# KiCad board lb_mp1.kicad_pcb (continued)
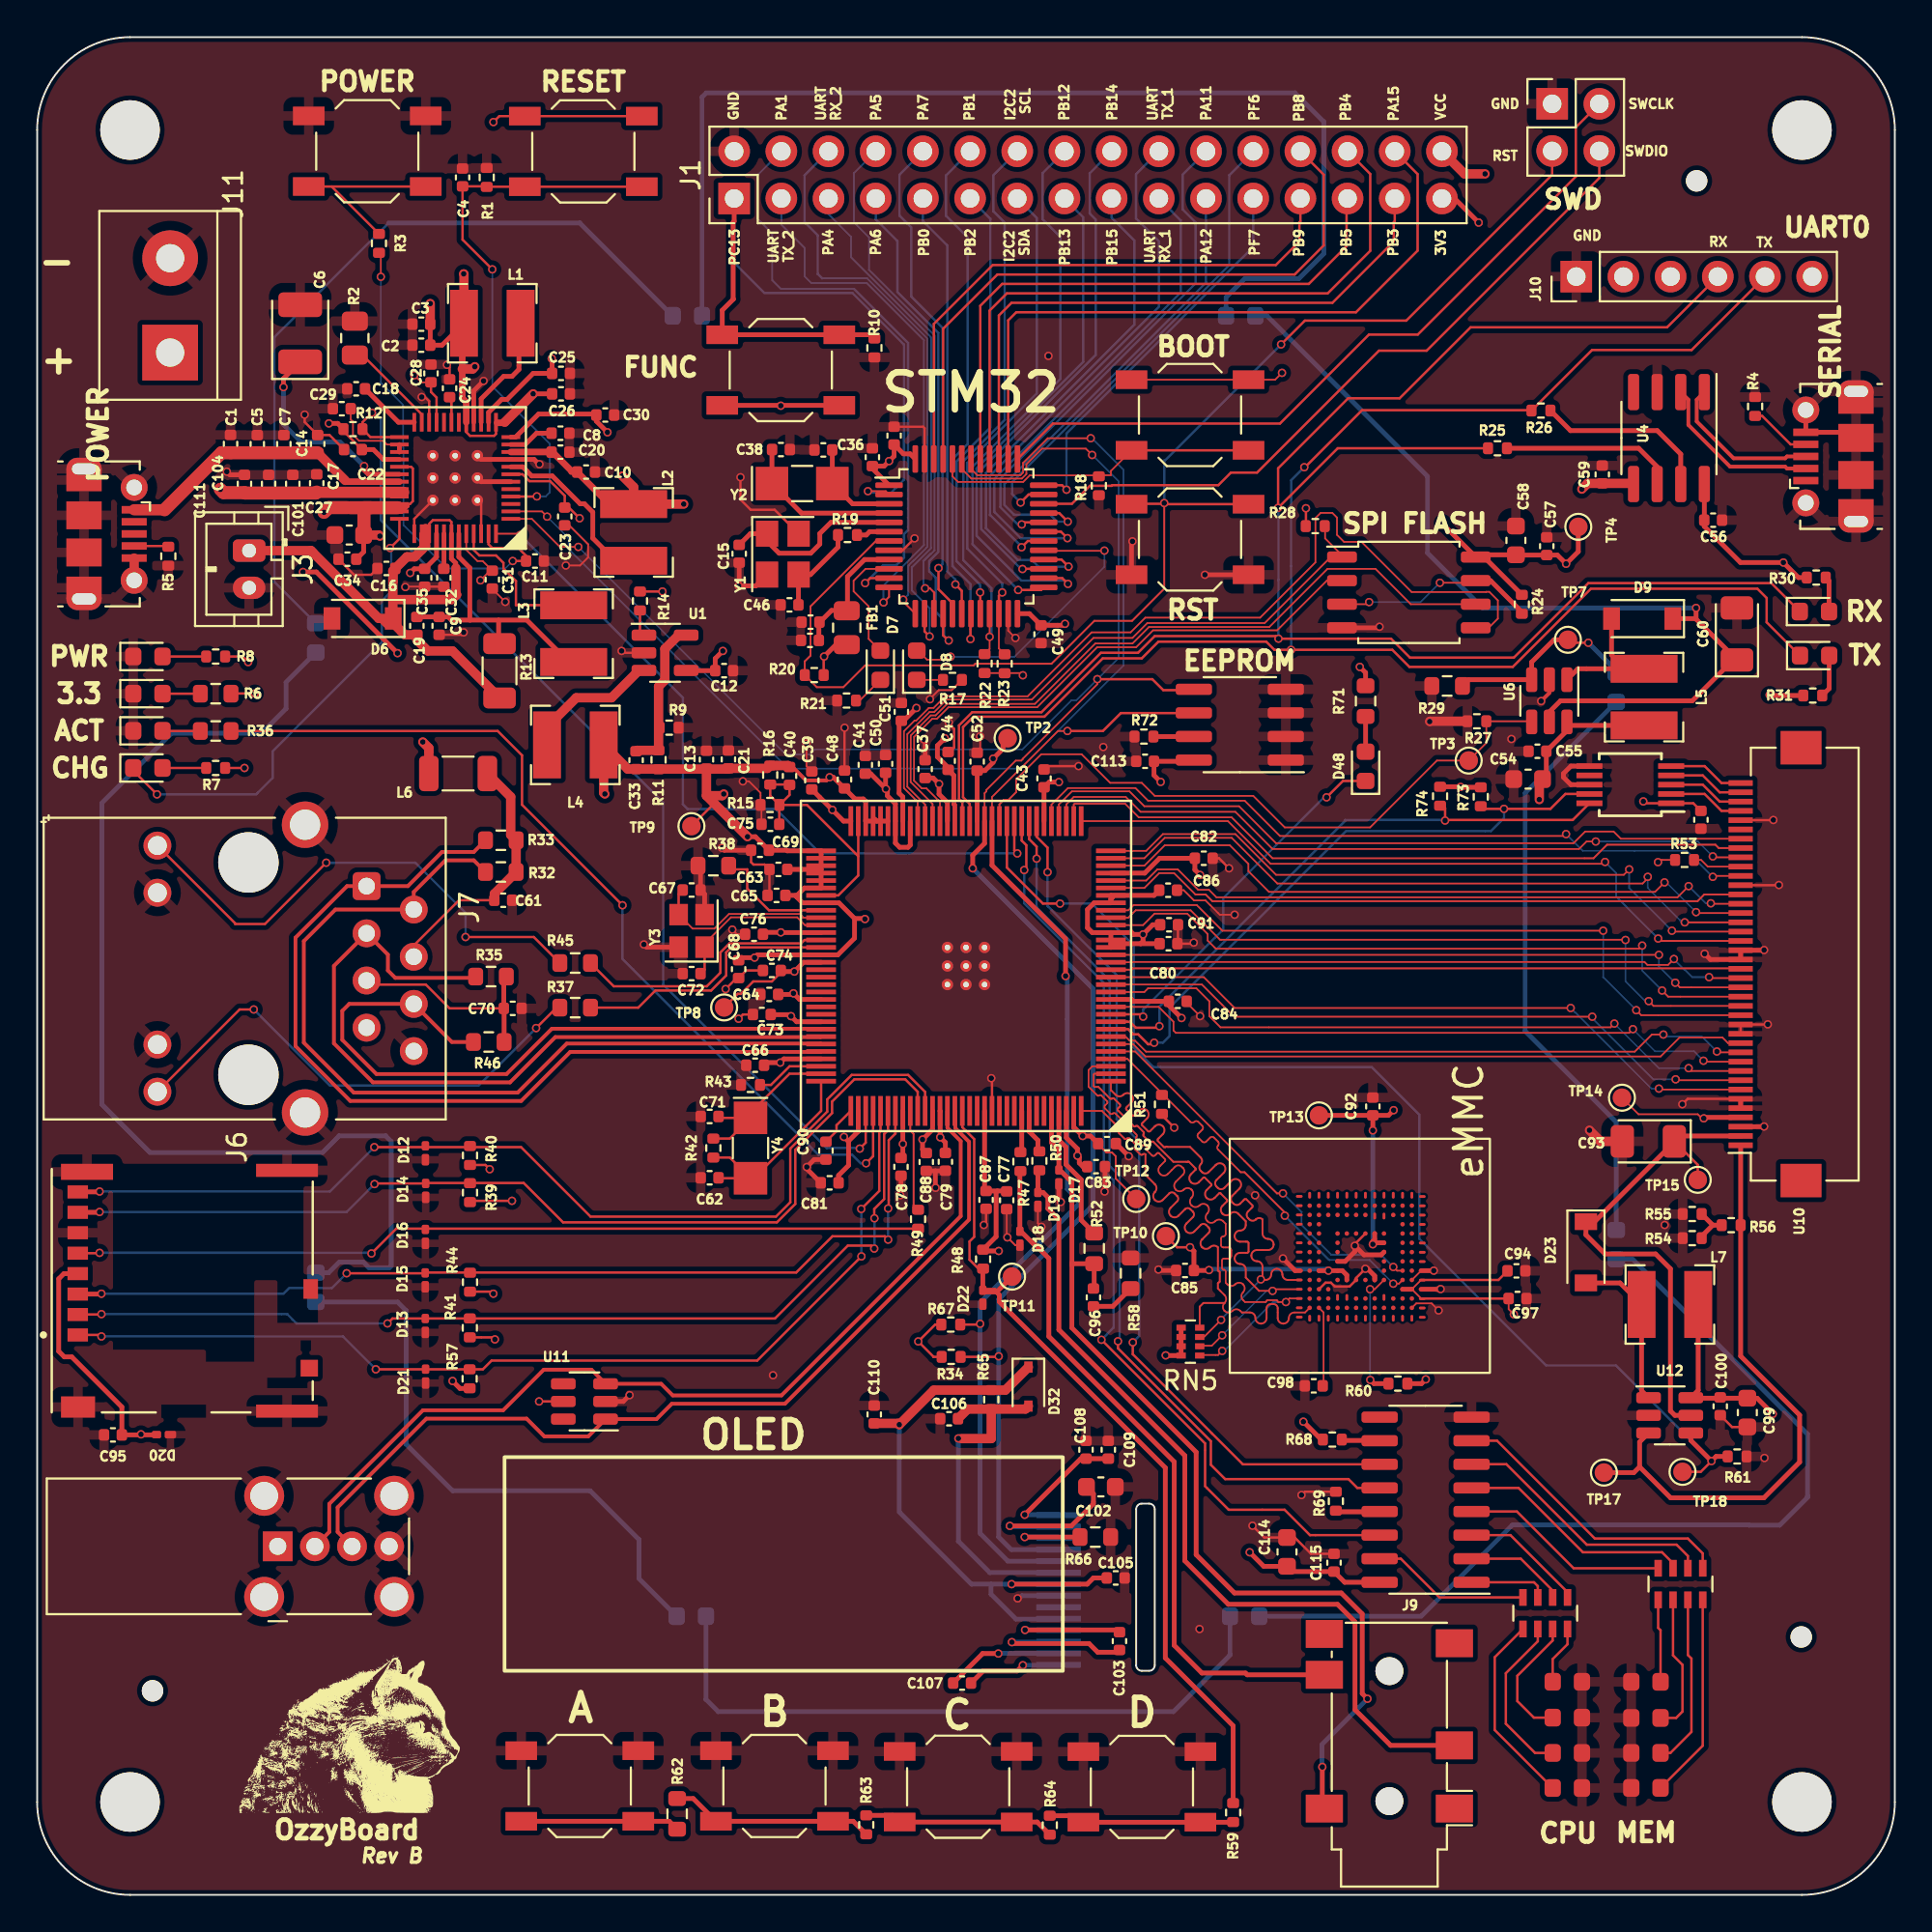
[diagram p0: board, top side]
## Routing (per net, layer and track width the routed paths; a pad name or vN(x,y) marks a point on that pad's centre or on a via; arc(x,y) is an arc through that point) (continued)
  Bottom w0.127: v1(45.07,36.42) 45.07,34.8 v1(45.06,34.79) ; v1(18.86,30.76) 13.96,30.76 13.46,31.26 v1(3.46,31.26)
Net-(D14-Pad1): length 53.3
  Top w0.127: U8.106 47.4,43.23 46.73,43.9 43.99,43.9 42.79,42.7 42.79,42.08 40.81,40.1 40.81,37.19 39.82,36.2 28.31,36.2 26.19,38.32 20.94,38.32 D14.1 18.2,38.3 v1(18.16,38.26)
  Top w0.254: J6.7 3.34,36.74 v1(3.36,36.76)
  Bottom w0.127: v1(3.36,36.76) 16.66,36.76 v1(18.16,38.26)
Net-(D15-Pad1): length 52.1
  Top w0.127: v1(45.81,35.27) 45.63,35.45 42.81,35.45 40.86,33.5 20.91,33.5 D15.1 20.87,33.46 v1(16.66,33.46) ; U8.103 46.2,40.98 45.84,40.62 45.84,36.98 v1(45.81,36.95)
  Top w0.254: v1(3.46,32.36) 3.44,32.34 J6.3
  Bottom w0.127: v1(3.46,32.36) 13.26,32.36 13.56,32.66 15.86,32.66 v1(16.66,33.46) ; v1(45.81,36.95) v1(45.81,35.27)
Net-(D16-Pad1): length 45.8
  Top w0.127: R49.1 19.33,35.86 v1(18,34.52) ; J6.5 3.34,34.54 v1(3.36,34.56)
  Bottom w0.127: v1(18,34.52) 17.96,34.56 v1(3.36,34.56)
Net-(D18-Pad1): length 37.6
  Top w0.254: J9.4 65.14,11.84 65.05,11.94 62.7,11.94 61.21,13.43 61.21,23.31 54.46,30.06 54.46,34.26 53.75,34.97 53.7,34.97 52.95,35.72 D18.1 52.9,38.8
Net-(D19-Pad1): length 45.8
  Top w0.254: 53.87,38.98 D19.1 54.15,37.81 54.41,37.55 54.41,36.94 55,36.35 55,30.42 61.78,23.64 61.78,17.98 64.12,15.64 70,15.64 70.94,14.69 70.94,9.97 72.86,8.04 J9.3
Net-(D21-Pad1): length 53.7
  Top w0.127: U8.101 45.4,41.11 45.33,41.04 45.33,37.89 v1(44.36,36.92) ; v1(44.37,34.37) 38.76,28.76 24.46,28.76 23.99,28.29 v1(18.23,28.29) ; J6.1 3.38,30.14 v1(3.46,30.06)
  Bottom w0.127: v1(18.23,28.29) 16.46,30.06 v1(3.46,30.06) ; v1(44.37,34.37) 44.36,34.38 v1(44.36,36.92)
Net-(D23-Pad2): length 8.7
  Top w0.254: D23.2 85.21,32.94 L7.2 86.37,27.14 U12.1
Net-(D24-Pad1): length 60.3
  Bottom w0.254: D24.1 64,86 65,87 67.92,87 69.26,88.34 69.26,95.45 67.71,97 36.02,97 35.79,96.77 D25.2
Net-(D25-Pad1): length 42.4
  Bottom w0.127: D27.2 12.77,70.67 12.77,83.85 18.92,90
  Bottom w0.254: D25.1 29.21,90 18.92,90
Net-(D26-Pad1): length 10.7
  Top w0.127: v1(83.5,67.4) 82.56,67.4 TP7.1
  Top w0.254: R29.1 77.06,65.41 U6.3 80.45,66.36 81.65,67.56 TP7.1
  Bottom w0.254: v1(83.5,67.4) 85,65.9 D26.1
Net-(D26-Pad2): length 32.5
  Bottom w0.254: D26.2 80.1,59.31 80.1,46.5 85,41.6 D28.1
Net-(D27-Pad1): length 60.2
  Bottom w0.254: D29.2 15.69,33.49 16.26,34.06 17.56,34.06 17.86,33.76 18.96,33.76 19.06,33.86 19.06,40.56 18.76,40.86 16.26,40.86 15.36,39.96 6.07,39.96 3.48,42.55 3.48,58.77 7.24,62.53 12.08,62.53 13.4,63.85 13.4,65.27 D27.1
Net-(D28-Pad2): length 74.5
  Bottom w0.127: D30.1 66.3,15 ; 79.4,19.9 93.8,19.9 ; 74.51,15.01 79.41,19.91 ; 95.3,21.5 95.3,24.8
  Bottom w0.254: 95.3,21.4 93.8,19.9 92.16,19.9 92.15,19.91 79.41,19.91 74.5,15 66.3,15 ; 95.3,21.4 95.3,24.8 85.89,34.21 D28.2 ; 95.3,21.4 95.3,21.5
Net-(D29-Pad1): length 31.9
  Bottom w0.254: D29.1 19.41,31.91 19.86,31.46 19.86,24.26 22.37,21.75 29.77,21.75 32.4,19.12 32.4,17.03 D31.2
Net-(D30-Pad2): length 36.3
  Bottom w0.254: D30.2 64.21,12.91 61.16,9.86 36.66,9.86 36,10.52 D31.1
Net-(D33-Pad2): length 9
  Top w0.127: D33.2 80.63,7.64 79.06,9.21 79.06,11.93 80.78,13.65 RN1.6
Net-(D34-Pad2): length 6.9
  Top w0.127: D34.2 80.57,9.54 79.68,10.43 79.68,11.79 81.58,13.69 RN1.7
Net-(D35-Pad2): length 3.2
  Top w0.127: D35.2 81.58,12.69 82.38,13.49 RN1.8
Net-(D36-Pad2): length 4.5
  Top w0.127: RN2.5 87.26,14.37 87.39,14.24 D36.2
Net-(D37-Pad2): length 7.5
  Top w0.127: RN2.6 88.06,12.89 88.57,12.38 88.57,9.87 88.22,9.52 D37.2
Net-(D38-Pad2): length 9.3
  Top w0.127: D38.2 87.92,7.64 89.05,8.77 89.05,12.72 88.86,12.91 RN2.7
Net-(D39-Pad2): length 11.1
  Top w0.127: RN2.8 89.66,8.03 D39.2
Net-(D48-Pad2): length 1.9
  Top w0.254: D48.2 71.51,63.44
Net-(J4-Pad4): length 1.9
  Top w0.127: R5.1 7.02,72.61 J4.4
Net-(J5-Pad4): length 3.4
  Top w0.127: R4.1 92.86,79.61 94.39,78.08 J5.4
Net-(J7-Pad9): length 27.8
  Top w0.127: J7.9 10.66,52.3 10.66,52.26 12.26,52.26 v1(15.56,55.56) ; R45.1 26.73,51.56 v1(23.06,51.56)
  Bottom w0.127: v1(15.56,55.56) 20.36,55.56 23.06,52.86 v1(23.06,51.56)
Net-(J7-Pad12): length 26.9
  Top w0.127: v1(11.66,47.66) 10.9,47.66 J7.12 ; R37.1 27.96,47.76 v1(26.86,46.66)
  Bottom w0.127: v1(26.86,46.66) 23.76,43.56 15.76,43.56 v1(11.66,47.66)
Net-(L1-Pad2): length 4.6
  Top w0.254: U2.15 23.9,80.53 25.11,81.74 25.56,81.74 25.94,82.11 25.94,82.78
Net-(L2-Pad2): length 9.5
  Top w0.254: L2.2 31.12,71.81 29.91,73.03 29.91,74.43 29.46,74.88 29.23,74.88 27.73,76.38 26.62,76.38 26.35,76.65 26.35,76.65 26.13,76.87 U2.8
Net-(L3-Pad1): length 7.2
  Top w0.127: U2.45 23.5,72.4 23.8,72.1 24.7,72.1 25.1,71.7 25.1,71.4 25.77,70.73 25.77,69.42 27.7,69.42
Net-(L4-Pad1): length 7.4
  Top w0.5: L4.1 27.45,62.86 29.02,64.44 30.92,64.44 32.39,65.91 U1.3
Net-(R2-Pad2): length 5.4
  Top w0.127: U2.23 20.7,79.7 17.51,82.89 R2.2
Net-(R3-Pad1): length 11.1
  Top w0.09: SW2.1 15.85,91.96
  Top w0.127: SW2.1 SW2.1 ; 15.85,91.96 R3.1
Net-(R14-Pad2): length 1.4
  Top w0.127: R14.2 32.45,68.02 U1.1
Net-(R18-Pad2): length 17.9
  Top w0.09: U3.44 49.27,76.36 49.57,76.06 53.08,76.06 53.43,76.41 57.1,76.41 R18.2 57.21,76.42 57.8,76.42 57.8,76.65 SW4.1
  Top w0.127: SW4.1 SW4.1
Net-(R24-Pad2): length 11
  Top w0.09: v1(75.51,70.63) 77.32,70.63 77.44,70.74 ; U5.3 71.59,69.47 v1(71.7,69.59)
  Top w0.254: 77.44,70.74 78.24,70.74 79.92,69.06 R24.2
  Bottom w0.09: v1(75.51,70.63) 74.47,69.59 v1(71.7,69.59)
Net-(R25-Pad2): length 9.4
  Top w0.254: R25.2 86.21,77.87 87.21,76.88 87.21,75.94
Net-(R26-Pad1): length 9.6
  Top w0.254: R26.1 82.54,78.82 87.21,78.82 88.47,77.55 88.47,75.94
Net-(R28-Pad2): length 34.4
  Top w0.09: U8.54 47.8,58.69 46.84,59.65 46.84,62.48 48.03,63.67 48.29,63.67 48.96,64.34 53.54,64.34 56.86,67.66 58.96,67.66 59.76,68.46 66.06,68.46 ; 69.33,73.76 69.33,73.02 70.24,72.11 ; U5.1 69.63,72.02 66.07,68.45
Net-(R38-Pad2): length 6.6
  Top w0.127: U8.73 39.39,53 38.22,54.17 38.22,55.2 37.43,55.2 R38.2
Net-(R43-Pad1): length 3.7
  Top w0.127: U8.94 40.5,44.6 39.5,43.6 R43.1
Net-(R47-Pad2): length 2.3
  Top w0.254: U8.120 53,40.2 52.76,39.96
Net-(R49-Pad2): length 5.5
  Top w0.1: U8.105 47,41.14 47.18,40.96 47.18,37.12
  Top w0.127: 47.18,37.12 R49.2
Net-(R50-Pad2): length 2.4
  Top w0.254: 53.87,40 53.87,40.62 53.4,41.09 U8.121
Net-(R51-Pad2): length 22.2
  Top w0.09: v1(73,32.9) 73.3,32.9 U9.M5 ; 64.79,38.9 63.56,40.12 arc(63.52,40.23) 63.56,40.34 arc(63.61,40.44) 63.56,40.55 63.35,40.76 arc(63.25,40.81) 63.14,40.76 62.93,40.55 arc(62.82,40.51) 62.72,40.55 62.5,40.76 arc(62.46,40.87) 62.5,40.97 62.72,41.19 arc(62.76,41.29) 62.72,41.4 62.5,41.61 arc(62.4,41.65) 62.29,41.61 arc(62.19,41.57) 62.08,41.61 58.69,45 U8.4
  Top w0.1: v1(67.16,36.56) 67.16,36.73 64.99,38.9 64.79,38.9
  Bottom w0.09: 72.45,33.45 v1(73,32.9)
  Bottom w0.1: 72.45,33.45 71.73,34.17 69.55,34.17 v1(67.16,36.56)
Net-(R52-Pad2): length 7.4
  Top w0.254: R52.2 56.2,36.33 56.2,38.5 55.38,39.32 55.38,40.25 55,40.63 U8.125
Net-(R53-Pad2): length 2.7
  Top w0.09: U10.31 89.93,55.35 89.57,55.71 R53.2
Net-(R54-Pad1): length 2.3
  Top w0.254: R54.1 89.6,35.45 90.2,36.05 ; 90.2,36.05 R55.1 ; 90.2,36.05 R56.2
Net-(R56-Pad1): length 32.5
  Top w0.254: TP17.1 85.95,22.73 86.26,23.04 ; 86.26,23.04 86.26,24.38 U12.3 ; 86.26,23.04 87.93,21.37 92.95,21.37 94.88,23.3 94.88,25.83 91.7,29 U10.1
Net-(R59-Pad2): length 10
  Top w0.254: R64.1 55.97,4.26 SW8.1 SW8.1 64.37,3.91 R59.2
Net-(R60-Pad2): length 6.9
  Top w0.09: U9.K5 72,32.6 v1(71.75,32.6)
  Top w0.254: R60.2 71.96,27.52 v1(71.76,27.72)
  Bottom w0.09: v1(71.75,32.6) 71.75,27.71
Net-(R62-Pad1): length 11
  Top w0.254: R63.2 43.93,3.96 SW6.1 SW6.1 35.31,5.19 R62.1
Net-(R62-Pad2): length 8.6
  Top w0.254: SW5.1 34.03,3.96 R62.2
Net-(R63-Pad1): length 10.3
  Top w0.254: R63.1 46.07,4.28 SW7.1 SW7.1 53.83,3.92 R64.2
Net-(R66-Pad2): length 4.8
  Top w0.254: R66.2 v1(53.16,19.26)
  Bottom w0.254: U14.12 54.93,19.26 v1(53.16,19.26)
Net-(R68-Pad2): length 1.9
  Top w0.254: 70.36,24.46 72.25,24.46 U15.10
Net-(R69-Pad1): length 2.3
  Top w0.254: U15.13 72.25,20.62 70.02,20.62
Net-(R72-Pad1): length 2.1
  Top w0.254: R72.1 62.21,62.35 62.22,62.34
Net-(R73-Pad2): length 34.2
  Top w0.127: U7.9 82.26,59.26 81.46,58.46 v1(78.96,58.46) 77.85,58.46 R73.2 ; U8.8 58.73,46.6 59.01,46.32 59.27,46.32 59.8,45.79 60.05,45.79 v1(60.13,45.87)
  Bottom w0.127: v1(60.13,45.87) 60.6,45.87 60.96,46.23 60.96,47.76 70.46,57.26 78.26,57.26 78.96,57.96 v1(78.96,58.46)
Net-(R74-Pad2): length 32.3
  Top w0.127: U8.9 58.67,47 58.67,46.99 58.83,46.99 59.14,46.68 60.33,46.68 v1(60.41,46.76) ; U7.10 82.66,57.86 75.82,57.86 v1(75.79,57.83) 75.79,58.49 75.73,58.55
  Bottom w0.127: v1(60.41,46.76) 60.41,47.82 70.41,57.82 70.41,57.86 75.76,57.86 v1(75.79,57.83)
Net-(RN1-Pad1): length 6.7
  Top w0.127: RN1.1 82.38,16.29 79.31,19.36 U15.3
Net-(RN1-Pad2): length 5.4
  Top w0.127: RN1.2 81.58,16.38 79.87,18.09 U15.2
Net-(RN1-Pad3): length 4.3
  Top w0.127: U15.1 80.57,16.82 80.78,16.62 RN1.3
Net-(RN1-Pad4): length 8.6
  Top w0.127: U15.15 73.41,18.09 75.49,16.01 RN1.4
Net-(RN5-Pad1): length 33.3
  Top w0.09: 68,32.1 67.43,32.1 67.42,32.11 v1(67.22,31.91) 66.82,31.91 arc(66.78,31.92) 66.77,31.96 arc(66.76,32) 66.72,32.01 66.22,32.01 arc(66.18,32) 66.17,31.96 arc(66.16,31.92) 66.12,31.91 65.02,31.91 64.91,32.02 arc(64.83,32.23) 64.91,32.44 arc(65,32.65) 64.91,32.86 arc(64.7,32.95) 64.49,32.86 arc(64.28,32.78) 64.07,32.86 63.98,32.95 63.98,33.55 arc(63.95,33.62) 63.88,33.65 arc(63.81,33.68) 63.78,33.75 63.78,34.15 arc(63.81,34.22) 63.88,34.25 64.13,34.25 arc(64.24,34.29) 64.28,34.4 64.28,34.7 arc(64.24,34.81) 64.13,34.85 63.85,34.85 arc(63.77,34.89) 63.73,34.97 63.73,35.33 arc(63.77,35.41) 63.85,35.45 arc(63.94,35.49) 63.98,35.58 63.98,36.12 63.84,36.26 arc(63.63,36.35) 63.41,36.26 arc(63.2,36.17) 62.99,36.26 arc(62.9,36.47) 62.99,36.69 arc(63.08,36.9) 62.99,37.11 arc(62.78,37.2) 62.57,37.11 arc(62.35,37.02) 62.14,37.11 arc(62.05,37.32) 62.14,37.53 arc(62.23,37.75) 62.14,37.96 arc(61.93,38.05) 61.72,37.96 arc(61.51,37.87) 61.29,37.96 arc(61.21,38.17) 61.29,38.38 61.68,38.77 arc(61.76,38.95) 61.68,39.13 61.61,39.2 arc(61.43,39.27) 61.26,39.2 60.87,38.81 arc(60.66,38.72) 60.44,38.81 arc(60.36,39.02) 60.44,39.23 60.71,39.5 arc(60.73,39.55) 60.71,39.6 60.39,39.92 arc(60.34,39.94) 60.29,39.92 60.16,39.8 arc(60.09,39.77) 60.02,39.8 59.74,40.08 arc(59.71,40.15) 59.74,40.22 arc(59.77,40.29) 59.74,40.36 arc(59.67,40.39) 59.6,40.36 arc(59.53,40.33) 59.45,40.36 59.17,40.65 arc(59.14,40.72) 59.17,40.79 arc(59.2,40.86) 59.17,40.93 58.89,41.21 arc(58.82,41.24) 58.75,41.21 arc(58.68,41.18) 58.61,41.21 58.32,41.49 arc(58.29,41.56) 58.32,41.64 arc(58.35,41.71) 58.32,41.78 58.04,42.06 arc(57.97,42.09) 57.9,42.06 arc(57.83,42.03) 57.76,42.06 57.47,42.34 arc(57.45,42.41) 57.47,42.48 57.6,42.61 arc(57.62,42.66) 57.6,42.71 57.28,43.03 arc(57.23,43.05) 57.17,43.03 arc(57.12,43.01) 57.07,43.03 56.6,43.5 56.6,44.4 56.8,44.6 U8.3 ; 62.69,29.06 63.57,29.06 v1(63.79,29.28)
  Bottom w0.09: v1(63.79,29.28) 63.9,29.28 66.53,31.91 v1(67.22,31.91)
Net-(RN5-Pad2): length 29.9
  Top w0.09: 62.69,29.56 63.23,29.56 v1(63.79,30.12) ; 65.78,32.51 v1(66.5,32.51) 66.59,32.6 68,32.6 ; U8.2 56.91,44.2 56.87,44.16 56.87,43.54 56.92,43.49 57.04,43.49
  Top w0.1: 65.78,32.51 65.06,33.23 65.06,33.66 arc(64.97,33.87) 64.76,33.96 arc(64.55,34.05) 64.46,34.26 arc(64.55,34.47) 64.76,34.56 65.13,34.56 arc(65.19,34.58) 65.21,34.63 65.21,35.08 arc(65.19,35.14) 65.13,35.16 64.76,35.16 arc(64.55,35.25) 64.46,35.46 arc(64.55,35.67) 64.76,35.76 arc(64.97,35.85) 65.06,36.06 65.06,36.26 64.65,36.67 arc(64.44,36.75) 64.23,36.67 arc(64.02,36.58) 63.8,36.67 arc(63.72,36.88) 63.8,37.09 64.05,37.34 arc(64.07,37.37) 64.05,37.41 63.7,37.76 arc(63.66,37.78) 63.63,37.76 63.38,37.52 arc(63.17,37.43) 62.96,37.52 arc(62.87,37.73) 62.96,37.94 63.2,38.19 arc(63.22,38.22) 63.2,38.26 62.85,38.61 arc(62.81,38.63) 62.78,38.61 62.53,38.36 arc(62.32,38.28) 62.11,38.36 arc(62.02,38.58) 62.11,38.79 62.35,39.04 arc(62.37,39.07) 62.35,39.11 62,39.46 arc(61.97,39.47) 61.93,39.46 arc(61.9,39.45) 61.86,39.46 61.16,39.46 60.09,40.53 arc(60.04,40.55) 59.98,40.53 arc(59.93,40.51) 59.88,40.53 59.56,40.85 arc(59.54,40.9) 59.56,40.96 arc(59.58,41.01) 59.56,41.06 59.24,41.38 arc(59.19,41.4) 59.13,41.38 arc(59.08,41.36) 59.03,41.38 58.71,41.7 arc(58.69,41.75) 58.71,41.8 arc(58.73,41.86) 58.71,41.91 arc(58.66,41.93) 58.6,41.91 arc(58.55,41.89) 58.5,41.91 58.18,42.23 arc(58.16,42.28) 58.18,42.33 58.29,42.44 arc(58.31,42.49) 58.29,42.55 57.97,42.86 arc(57.91,42.89) 57.86,42.86 57.86,42.87 arc(57.81,42.84) 57.75,42.86 57.13,43.49 57.04,43.49
  Bottom w0.09: v1(63.79,30.12) 66.18,32.51 v1(66.5,32.51)
Net-(RN5-Pad3): length 32.2
  Top w0.09: 62.69,30.06 62.84,30.06 v1(63.73,30.95) ; 57.8,43.3 U8.1
  Top w0.1: 68,33.1 67.33,33.1 arc(67.12,33.19) 67.03,33.4 arc(66.94,33.61) 66.73,33.7 arc(66.52,33.61) 66.43,33.4 arc(66.34,33.19) 66.13,33.1 65.9,33.1 v1(65.87,33.13) 65.96,33.22 65.96,33.81 arc(65.87,34.02) 65.66,34.11 arc(65.45,34.2) 65.36,34.41 arc(65.45,34.62) 65.66,34.71 66.26,34.71 arc(66.47,34.8) 66.56,35.01 arc(66.47,35.22) 66.26,35.31 arc(66.05,35.4) 65.96,35.61 65.96,36.36 arc(65.78,36.43) 65.61,36.36 arc(65.43,36.29) 65.25,36.36 65.18,36.43 arc(65.11,36.61) 65.18,36.78 65.41,37.01 arc(65.43,37.07) 65.41,37.12 65.09,37.44 arc(65.04,37.46) 64.99,37.44 64.76,37.21 arc(64.58,37.14) 64.4,37.21 64.33,37.28 arc(64.26,37.46) 64.33,37.63 64.72,38.02 arc(64.81,38.23) 64.72,38.45 arc(64.51,38.53) 64.3,38.45 63.91,38.06 arc(63.73,37.98) 63.56,38.06 63.49,38.13 arc(63.41,38.3) 63.49,38.48 63.87,38.87 arc(63.96,39.08) 63.87,39.29 arc(63.66,39.38) 63.45,39.29 63.06,38.91 arc(62.88,38.83) 62.71,38.91 62.64,38.98 arc(62.56,39.15) 62.64,39.33 arc(62.71,39.51) 62.64,39.68 62.06,40.26 60.86,40.26 arc(60.81,40.28) 60.75,40.26 arc(60.7,40.24) 60.65,40.26 60.33,40.58 arc(60.31,40.63) 60.33,40.68 60.59,40.95 arc(60.68,41.16) 60.59,41.37 arc(60.38,41.46) 60.17,41.37 59.91,41.11 arc(59.85,41.09) 59.8,41.11 59.48,41.43 arc(59.46,41.48) 59.48,41.53 59.75,41.8 arc(59.83,42.01) 59.75,42.22 arc(59.53,42.31) 59.32,42.22 59.06,41.96 arc(59,41.94) 58.95,41.96 58.63,42.28 arc(58.61,42.33) 58.63,42.38 58.9,42.65 arc(58.99,42.86) 58.9,43.07 arc(58.69,43.16) 58.47,43.07 arc(58.26,42.98) 58.05,43.07 57.82,43.3 57.8,43.3
  Bottom w0.1: v1(65.87,33.13) 63.73,30.99 v1(63.73,30.95)
Net-(RN5-Pad4): length 30.4
  Top w0.09: 64.87,31.33 64.77,31.44 arc(64.55,31.52) 64.34,31.44 arc(64.13,31.35) 63.92,31.44 arc(63.83,31.65) 63.92,31.86 arc(64,32.07) 63.92,32.28 63.7,32.5 ; U9.B2 68.25,31.35 67.68,31.35 arc(67.47,31.26) 67.38,31.05 ; U8.128 57.3,42.2
  Top w0.1: 57.3,42.2 57.32,42.2 58.25,41.27 arc(58.28,41.2) 58.25,41.13 arc(58.22,41.06) 58.25,40.99 58.53,40.71 arc(58.6,40.68) 58.67,40.71 arc(58.74,40.74) 58.81,40.71 59.09,40.43 arc(59.12,40.35) 59.09,40.28 arc(59.07,40.21) 59.09,40.14 59.38,39.86 arc(59.45,39.83) 59.52,39.86 arc(59.59,39.89) 59.66,39.86 59.66,38.76 60.17,38.25 arc(60.25,38.04) 60.17,37.83 arc(60.08,37.62) 60.17,37.41 arc(60.38,37.32) 60.59,37.41 60.94,37.76 arc(61.09,37.82) 61.23,37.76 61.37,37.62 arc(61.43,37.48) 61.37,37.33 61.01,36.98 arc(60.93,36.77) 61.01,36.56 arc(61.23,36.47) 61.44,36.56 61.79,36.91 arc(61.93,36.97) 62.08,36.91 62.22,36.77 arc(62.28,36.63) 62.22,36.49 61.86,36.13 arc(61.78,35.92) 61.86,35.71 arc(62.08,35.62) 62.29,35.71 62.64,36.06 arc(62.78,36.12) 62.92,36.06 63.07,35.92 arc(63.12,35.78) 63.07,35.64 62.71,35.28 arc(62.62,35.07) 62.71,34.86 arc(62.92,34.77) 63.14,34.86 arc(63.35,34.95) 63.56,34.86 63.56,33.62 arc(63.57,33.58) 63.61,33.57 arc(63.65,33.56) 63.66,33.52 63.66,33.02 arc(63.65,32.98) 63.61,32.97 arc(63.57,32.96) 63.56,32.92 63.56,32.64 63.7,32.5 ; 63.92,31.86 62.78,31.86 62.58,31.66 RN5.4 ; 64.87,31.35 65.28,31.35 arc(65.49,31.26) 65.58,31.05 arc(65.67,30.84) 65.88,30.75 arc(66.09,30.84) 66.18,31.05 66.18,31.58 arc(66.25,31.73) 66.41,31.8 66.56,31.8 arc(66.71,31.73) 66.78,31.58 66.78,31.05 arc(66.87,30.84) 67.08,30.75 arc(67.29,30.84) 67.38,31.05
Net-(U5-Pad2): length 31.8
  Top w0.09: U8.52 48.6,58.83 47.87,59.56 47.62,59.56 47.2,59.98 47.2,61.62 47.21,61.63 47.21,62.33 48.18,63.31 48.44,63.31 49.06,63.93 53.83,63.93 57.06,67.16 59.16,67.16 60.07,68.07 66.75,68.07 69.43,70.74 70.24,70.74
Net-(U5-Pad5): length 48.3
  Top w0.09: U5.5 78.13,68.2 78.63,68.7 78.63,69.68 78.17,70.14 78,70.14 77.99,70.13 73.99,70.13 71.29,72.83 70.35,72.83 69.97,73.21 69.97,74.14 69.72,74.39 69.09,74.39 68.81,74.11 68.81,71.73 65.83,68.75 59.65,68.75 58.86,67.96 56.76,67.96 53.32,64.52 49.37,64.52 49.35,64.54 48.9,64.54 48.25,63.89 48,63.89 47.32,63.21 47.23,63.21 46.66,62.64 46.66,59.58 47.4,58.84 U8.55
Net-(U5-Pad6): length 40
  Top w0.09: U8.53 48.2,58.73 47.02,59.91 47.02,61.7 47.03,61.7 47.03,62.41 48.11,63.49 48.36,63.49 48.98,64.11 53.71,64.11 56.96,67.36 58.96,67.36 59.85,68.25 66.33,68.25 69.46,71.38 72.04,71.38 73.94,69.47 U5.6
Net-(U8-Pad5): length 21
  Top w0.09: v1(73,33.8) 73.2,33.6 U9.M6 ; 65,39.5 59.1,45.4 U8.5
  Top w0.1: 65,39.5 66.74,37.76 v1(67.06,37.76)
  Bottom w0.1: v1(73,33.8) 72.34,34.46 69.66,34.46 68.06,36.06 68.06,36.76 v1(67.06,37.76)
Net-(U10-Pad7): length 36.4
  Top w0.09: v1(82.55,47.74) 64.46,47.74 62.8,49.4 U8.15 ; U10.7 87.35,43.35 v1(87.3,43.4)
  Bottom w0.09: v1(87.3,43.4) 86.9,43.4 82.8,47.5 82.79,47.5 v1(82.55,47.74)
Net-(U10-Pad8): length 36.2
  Top w0.09: 64.35,47.35 64.43,47.27 v1(83.71,47.27) ; 64.35,47.35 62.7,49 U8.14 ; 64.35,47.35 64.4,47.3 ; U10.8 88.25,43.85 v1(88.2,43.9)
  Bottom w0.09: v1(83.71,47.27) 83.71,47.19 87,43.9 v1(88.2,43.9)
Net-(U10-Pad9): length 36.5
  Top w0.09: U8.13 59.6,48.6 59.8,48.8 62.4,48.8 63.1,48.1 63.1,47.3 63.7,46.7 84.7,46.7 v1(84.9,46.9) ; v1(88.9,44.5) 89.05,44.35 U10.9
  Bottom w0.09: v1(84.9,46.9) 87.3,44.5 v1(88.9,44.5)
Net-(U10-Pad10): length 35.6
  Top w0.09: v1(85.9,46.6) 85.7,46.4 61.3,46.4 61.17,46.53 61.17,47 60.37,47.8 U8.11 ; v1(89.7,44.9) 89.75,44.85 U10.10
  Bottom w0.09: v1(89.7,44.9) 89.19,45.41 87.09,45.41 v1(85.9,46.6)
Net-(U10-Pad11): length 34.2
  Top w0.09: 58.61,46.18 58.81,45.98 59.1,45.98 59.69,45.39 86,45.39 86.92,46.31 v1(87.54,46.31) ; v1(90.42,45.4) 90.47,45.35 U10.11
  Bottom w0.09: v1(90.42,45.4) 89.62,46.2 87.65,46.2 v1(87.54,46.31)
Net-(U10-Pad12): length 34.7
  Top w0.09: U10.12 91.02,45.85 90.72,46.15 88.41,46.15 87.39,45.13 59.66,45.13 58.99,45.8 U8.6
Net-(U10-Pad15): length 37.9
  Top w0.09: v1(86.08,47.62) 86.35,47.35 U10.15 ; U8.24 58.74,53 59.02,53.28 62.42,53.28 63.8,51.9 v1(84.3,51.9)
  Bottom w0.09: v1(86.08,47.62) 84.3,49.4 v1(84.3,51.9)
Net-(U10-Pad16): length 37.5
  Top w0.09: U10.16 87.01,47.85 v1(86.75,48.11) ; U8.23 58.73,52.6 59.13,53 62.09,53 63.68,51.41 85.49,51.41 v1(85.5,51.4)
  Bottom w0.09: v1(86.75,48.11) 86.57,48.11 85.5,49.18 v1(85.5,51.4)
Net-(U10-Pad17): length 37.1
  Top w0.09: U8.22 59.53,52.2 60.15,52.82 61.91,52.82 63.01,51.72 63.01,51.37 63.45,50.93 86.23,50.93 v1(86.4,51.1) ; v1(87.47,48.68) 87.8,48.35 U10.17
  Bottom w0.09: v1(87.47,48.68) 86.4,49.75 v1(86.4,51.1)
Net-(U10-Pad18): length 35
  Top w0.09: U8.18 v1(87.3,50.6) ; v1(88.18,49.1) 88.43,48.85 U10.18
  Bottom w0.09: v1(88.18,49.1) 87.3,49.98 v1(87.3,50.6)
Net-(U10-Pad19): length 34.5
  Top w0.09: U8.17 58.89,50.2 58.91,50.22 86.52,50.22 86.68,50.06 87.79,50.06 v1(88.11,50.38) ; U10.19 90.05,49.35 v1(90,49.4)
  Bottom w0.09: v1(88.11,50.38) 88.11,50.35 88.67,49.79 88.71,49.79 89.1,49.4 v1(90,49.4)
Net-(U10-Pad20): length 33.9
  Top w0.1: U8.16 58.9,49.8 58.98,49.87 91.68,49.87 U10.20
Net-(U10-Pad23): length 39
  Top w0.09: v1(84.4,55.6) 84.3,55.5 66.4,55.5 64.1,57.8 U8.33
  Top w0.1: U10.23 87.39,51.35 v1(87.26,51.48)
  Bottom w0.09: 85,53.86 85,55 v1(84.4,55.6)
  Bottom w0.1: 85,53.86 85,53.74 v1(87.26,51.48)
Net-(U10-Pad24): length 37.3
  Top w0.09: v1(88,51.9) 88.05,51.85 U10.24 ; v1(85.7,55.2) 85.41,54.91 66.69,54.91 64.5,57.1 60.6,57.1 59.7,56.2 U8.32
  Bottom w0.09: v1(85.7,55.2) 85.7,54.2 v1(88,51.9)
Net-(U10-Pad25): length 37
  Top w0.09: v1(86.7,54.8) 86.7,54.72 86.42,54.44 66.76,54.44 64.3,56.9 60.7,56.9 59.6,55.8 U8.31
  Top w0.1: U10.25 v1(88.69,52.35)
  Bottom w0.09: v1(86.7,54.8) 86.7,54.2 88.5,52.4
  Bottom w0.1: v1(88.69,52.35) 88.55,52.35 88.44,52.47
Net-(U10-Pad26): length 36.5
  Top w0.09: U8.30 59.6,55.4 60.7,56.5 64.2,56.5 65.2,55.5 65.2,55.1 66.31,53.99 87.09,53.99 v1(87.6,54.5) ; v1(89.3,52.9) 89.35,52.85 U10.26
  Bottom w0.09: v1(89.3,52.9) 87.7,54.5 v1(87.6,54.5)
Net-(U10-Pad27): length 35.4
  Top w0.09: v1(88.9,54.3) 88.3,53.7 63.48,53.7 63.08,54.1 62.5,54.1 61.4,55.2 60.3,55.2 59.7,54.6 U8.28 ; U10.27 90.12,53.35 v1(90.09,53.37)
  Bottom w0.09: v1(90.09,53.37) 89.83,53.37 v1(88.9,54.3)
Net-(U10-Pad28): length 35
  Top w0.09: 62.35,53.85 61.2,55 60.4,55 59.6,54.2 U8.27
  Top w0.1: 62.35,53.85 62.9,53.85 63.26,53.49 89.38,53.49 89.74,53.85 U10.28
Net-(U10-Pad30): length 40.4
  Top w0.09: v1(90.2,54.8) 90.25,54.85 U10.30 ; U8.37 54.6,58.69 55.49,59.58 59.12,59.58 59.8,58.9 65,58.9 66.9,57 82.2,57 v1(82.3,57.1)
  Bottom w0.09: v1(90.2,54.8) 88.8,56.2 83.2,56.2 v1(82.3,57.1)
Net-(U10-Pad32): length 39
  Top w0.09: U8.35 55.4,58.7 55.8,59.1 58.6,59.1 59.4,58.3 64.5,58.3 66.5,56.3 83,56.3 83.4,56.7 v1(83.9,56.7) ; U10.32 90.25,55.85 v1(90.2,55.9)
  Bottom w0.09: v1(83.9,56.7) 89.4,56.7 v1(90.2,55.9)
Net-(U10-Pad33): length 38.4
  Top w0.09: 83.29,55.8 66.5,55.8 64.3,58 59.3,58 58.56,58.73 55.84,58.73 55.8,58.69 U8.34
  Top w0.1: 83.29,55.8 83.78,55.8 84.51,56.53 90.34,56.53 90.52,56.35 U10.33
Net-(U10-Pad34): length 39.5
  Top w0.09: U10.34 85.25,56.85 84.86,57.24 83.33,57.24 82.7,56.61 66.69,56.61 64.7,58.6 59.6,58.6 58.8,59.4 55.7,59.4 55,58.7 U8.36
Net-(U10-Pad37): length 4.1
  Top w0.127: U10.37 90.67,58.35 89.76,59.26 U7.2
Net-(U10-Pad38): length 4.1
  Top w0.127: U10.38 90.57,58.85 89.66,59.76 U7.3
Net-(U10-Pad39): length 4.1
  Top w0.127: U7.4 89.66,60.26 90.57,59.35 U10.39
Net-(U10-Pad40): length 4.1
  Top w0.127: U7.5 89.76,60.76 90.67,59.85 U10.40
Net-(U15-Pad4): length 11.3
  Top w0.127: RN2.4 82.71,17.58 79.66,20.63 U15.4
Net-(U15-Pad5): length 12.8
  Top w0.127: U15.5 79.75,21.91 83.21,18.44 87.47,18.44 88.06,17.85 RN2.3
Net-(U15-Pad6): length 14.4
  Top w0.127: RN2.2 88.86,18.24 88.25,18.85 83.42,18.85 79.09,23.18 77.22,23.18 U15.6
Net-(U15-Pad7): length 15.8
  Top w0.127: RN2.1 89.66,18.38 88.86,19.18 83.85,19.18 78.59,24.44 U15.7

## Copper pours and planes (outline as drawn; the poured copper is in the pictures)
+1V2 on Power plane: 35.36,73.46 33.36,73.46 30.76,75.46 30.76,76.86 35.36,76.86
+1V8 on Power plane: 38.56,56.46 30.16,56.46 30.16,59.86 38.56,59.86
+3.3V on Power plane: 102.46,-2.34 -2.44,-2.34 -2.44,102.66 102.56,102.66
GND on Top: 102.56,-2.34 -2.44,-2.34 -2.44,102.66 102.56,102.66
GND on Bottom: 102.46,-2.34 -2.34,-2.34 -2.44,102.66 102.56,102.66
GND on Ground plance: 102.56,-2.34 -2.44,-2.34 -2.44,102.66 102.56,102.66

## Text on the board
F.Silkscreen: GND | RST | SWDIO | SWCLK | RX | TX | PC13 | UART / TX_2 | PA1 | UART / RX_2 | PA4 | PA6 | PA5 | PA7 | PB0 | PB1 | PB2 | I2C2 / SDA | I2C2 / SCL | PB12 | PB13 | PB14 | PB15 | UART / RX_1 | UART / TX_1 | PA11 | PA12 | PF6 | PF7 | PB8 | PB9 | PB4 | PB5 | PB3 | PA15 | VCC | 3V3 | Rev B | OzzyBoard | CPU | MEM | UART0 | - | + | OLED
